# KiCad board OpenRX-all.kicad_pcb (continued)
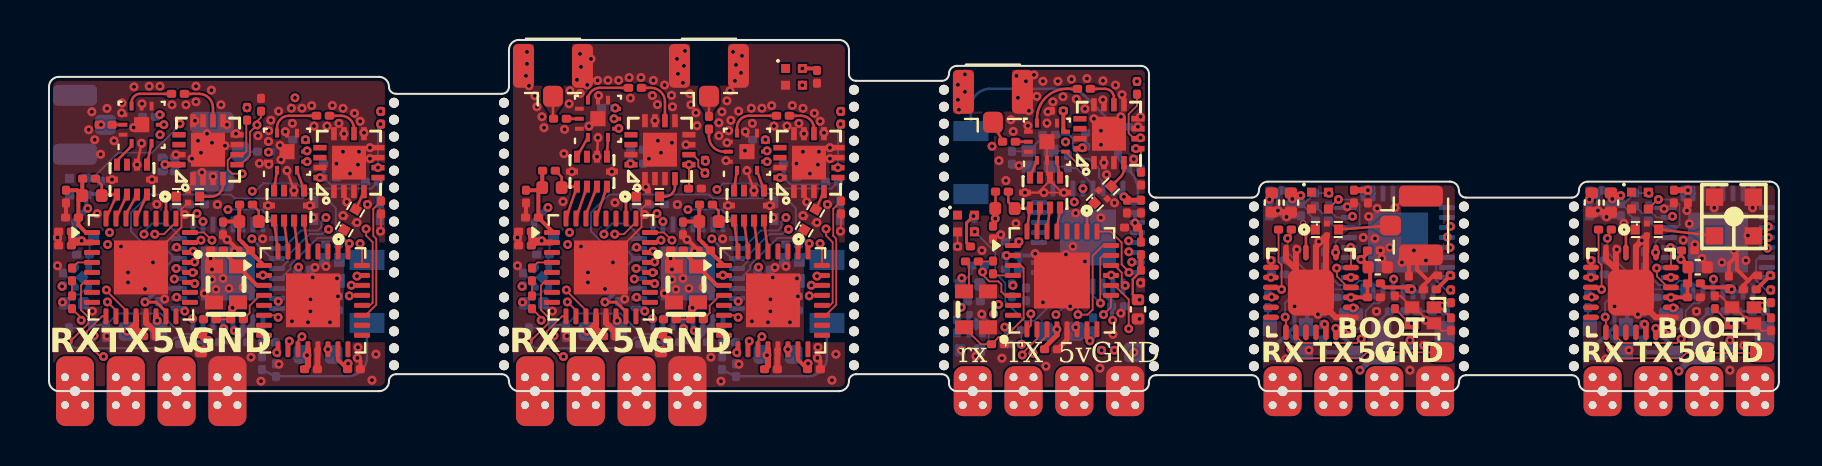
[diagram p0: board, top side]
## Routing (per net, layer and track width the routed paths; a pad name or vN(x,y) marks a point on that pad's centre or on a via; arc(x,y) is an arc through that point) (continued)
/Clock/TCXO_Out: length 23
  Top w0.09: OSC1.3 8.94,3.94 8.06,3.94 7.73,3.6 ; OSC2.3 31.94,3.94 31.06,3.94 30.73,3.6 ; C7.2 1.61,3.67 v1(1.61,3.55) ; C50.2 24.61,3.67 v1(24.61,3.55)
  In2.Cu w0.09: v1(32.18,4.17) 31.59,4.17 29.97,2.55 26.85,2.55 25.85,3.55 v1(24.61,3.55) ; v1(1.61,3.55) 2.85,3.55 3.85,2.55 6.97,2.55 8.59,4.17 v1(9.17,4.17)
/Clock/VTCXO: length 5.6
  Top w0.2: C56.2 31.72,6.98 OSC2.4 33.4,5.3 U15.3 ; U6.3 10.4,5.3 OSC1.4 8.72,6.98 C13.2
/ESP32-C3 + LR1121 Mono/BOOT: length 8.1
  In2.Cu w0.09: v1(54.25,1.95) 54.15,2.05 v1(53.27,2.05) 52.77,1.55 50.95,1.55 49.8,2.7 49.8,3.28 v1(50.35,3.83)
  Bottom w0.09: v1(50.35,3.83) 50.7,4.18 U25.15
/ESP32-C3 + LR1121 Mono/BUSY: length 3.6
  Top w0.09: U27.25 53.08,8 53.63,7.45 53.63,6.35 54,5.99 v1(54,5.95)
  Bottom w0.09: 54.45,5.95 54.14,5.95 54.11,5.92 54.03,5.92 54.01,5.95 v1(54,5.95)
/ESP32-C3 + LR1121 Mono/CHIP_EN: length 8.5
  In2.Cu w0.09: v1(54.15,6.47) 54.15,6.47 52.27,6.47 52.16,6.36 52.16,6.35 51.95,6.14 51.94,6.14 48.62,2.82 v1(48.62,2.35)
  Bottom w0.09: v1(48.62,2.35) R37.1 ; v1(54.15,6.47) 54.15,6.47 54.15,6.47 54.17,6.45 54.45,6.45
/ESP32-C3 + LR1121 Mono/CTRL1: length 17.2
  Top w0.09: U29.4 51.57,11.26 v1(51.79,11.26) ; v1(49.2,1.9) 49.2,2.09 49.9,2.79 U27.11
  In2.Cu w0.09: v1(49.2,1.9) 49.2,1.84 48.82,1.45 48.44,1.45 46.74,3.15 46.74,3.45 47.16,3.87 v1(47.23,3.87)
  In3.Cu w0.09: v1(51.79,11.26) 51.84,11.26 52.3,10.81 52.3,8.9 48.6,5.2 48.6,4.7 47.77,3.87 v1(47.23,3.87)
/ESP32-C3 + LR1121 Mono/CTRL2: length 14.2
  Top w0.09: v1(50.83,12.49) U29.5 ; v1(48.67,1.81) 48.67,1.89 49.4,2.62 U27.10
  In2.Cu w0.09: v1(47.49,4.35) 48.15,3.68 48.15,2.31 48.65,1.81 v1(48.67,1.81)
  In3.Cu w0.09: v1(47.49,4.35) 47.49,5.9 50.3,8.71 50.3,11.96 v1(50.83,12.49)
/ESP32-C3 + LR1121 Mono/DIO1: length 8.2
  Top w0.09: v1(49.09,3.88) 49.09,3.3 U27.9
  In3.Cu w0.09: v1(53.98,7.53) 52.08,7.53 49.09,4.55 v1(49.09,3.88)
  Bottom w0.09: v1(53.98,7.53) 53.99,7.53 54.02,7.53 54.09,7.45 54.45,7.45
/ESP32-C3 + LR1121 Mono/LED: length 10.7
  Bottom w0.09: U25.14 51.2,5.65 50.9,5.95 50.22,5.95 49.7,5.43 49.7,4.96 50.06,4.6 50.06,4.3 49.27,3.52 48.79,3.52 47.81,4.49 47.81,5.42 47.32,5.92 47.32,6.96 v1(46.29,7.99) R35.2
/ESP32-C3 + LR1121 Mono/MISO: length 0.6
  Bottom w0.09: 53.25,5.25 53.25,5.68 v1(53.12,5.81)
/ESP32-C3 + LR1121 Mono/MOSI: length 1.5
  Top w0.09: U27.22 53.28,6.3 53.64,5.94 53.64,5.45 53.79,5.3 v1(53.81,5.3)
  Bottom w0.09: 53.75,5.25 53.75,5.25 53.77,5.25 v1(53.81,5.3)
/ESP32-C3 + LR1121 Mono/NSS: length 6.2
  Top w0.09: U27.24 52.7,7.3 52.19,6.78 52.19,4.08 51.93,3.83 v1(51.45,3.83)
  Bottom w0.09: v1(51.45,3.83) 51.45,4.25 51.7,4.5 U25.13
/ESP32-C3 + LR1121 Mono/RST: length 10.9
  Top w0.09: v1(46.69,5.97) 46.69,5.83 47.01,5.5 47.47,5.5 47.62,5.35 47.62,4.98 47.8,4.8 U27.6
  In2.Cu w0.09: v1(46.69,5.97) 50.57,5.97 51.59,6.99 53.99,6.99 v1(54,6.99)
  Bottom w0.09: R34.2 46.69,6.22 v1(46.69,5.97) ; 54.45,6.95 54.1,6.95 54.06,6.99 54,6.99 v1(54,6.99)
/ESP32-C3 + LR1121 Mono/RXEN24: length 15.4
  Top w0.09: v1(53.99,3.13) 53.99,4.59 53.28,5.3 U27.20 ; v1(54.57,12.69) 54.55,12.69 arc(54.5,12.68) 54.46,12.66 U28.6 54.26,12.65 53.99,12.92 53.99,13.89 54.4,14.3 R40.2
  In2.Cu w0.09: v1(54.57,12.69) 54.71,12.56 54.71,6.07 54.18,5.53 54.18,3.32 v1(53.99,3.13)
/ESP32-C3 + LR1121 Mono/SCK: length 3.8
  Top w0.09: v1(52.57,4.41) 52.56,4.42 52.56,6.66 52.7,6.8 U27.23
  Bottom w0.09: U25.12 52.2,4.78 v1(52.57,4.41)
/ESP32-C3 + LR1121 Mono/TXEN24: length 12.3
  Top w0.09: v1(52.73,3.84) 53.1,4.21 U27.19 ; v1(54.35,12.15) 54.45,12.15 54.6,12 R39.2
  In3.Cu w0.09: v1(54.35,12.15) 54.26,12.15 53.8,11.7 53.8,10.61 54.11,10.3 54.11,8.75 53.95,8.58 53.95,8.2 54.51,7.64 54.51,5.91 54.18,5.58 54.18,5.15 53.24,4.21 53.1,4.21 v1(52.73,3.84)
/ESP32-C3 + LR1121 Mono/VR_PA: length 3.4
  Top w0.09: U27.1 48.31,7.3 v1(48.5,7.49)
  Top w0.127: v1(47.31,8.65) L27.1 47.33,9.17 R33.1
  In2.Cu w0.127: v1(48.5,7.49) 48.47,7.49 v1(47.31,8.65)
/ESP32-C3 + LR1121 Mono/WIFI: length 10.4
  Bottom w0.127: L26.1 53.45,12.96 arc(53.42,13.12) C166.1 51.77,14.81 arc(51.39,15.06) 50.95,15.15 47.05,15.15 arc(46.38,14.87) 46.1,14.2 AE6.1
/ESP32-C3 + LR1121 Mono/XTAL_N: length 2.7
  Bottom w0.09: X5.3 50.88,11.25 C139.1 51.37,11.18 52.25,10.3 52.25,10.15
/ESP32-C3 + LR1121 Mono/XTAL_P: length 4.3
  Bottom w0.09: U25.30 52.7,10.5 52.5,10.7 52.5,11.15 52,11.65 51.7,11.65 51.2,12.15 51.2,12.65 51,12.85 L24.2
/ESP32-C3 + SX1281 Core (UFL)/BOOT: length 39
  Top w0.09: TP13.1 69.65,1.94 65.89,1.94 65.6,1.65 62.55,1.65 v1(62.1,2.1) ; v1(78.1,2.1) 78.55,1.65 81.6,1.65 81.86,1.91 85.62,1.91 TP18.1
  In3.Cu w0.09: v1(81.18,8.76) 80.11,8.76 79.06,7.7 79.06,7.14 76.75,4.83 76.75,3.45 v1(78.1,2.1) ; v1(62.1,2.1) 60.75,3.45 60.75,4.83 63.06,7.14 63.06,7.7 64.04,8.69 65.12,8.69 65.18,8.74 v1(65.18,8.76)
  Bottom w0.09: U22.15 80.39,8.7 80.19,8.9 79.68,8.9 R31.2 ; U19.15 64.39,8.7 64.19,8.9 63.68,8.9 R27.2
/ESP32-C3 + SX1281 Core (UFL)/BUSY: length 11
  Top w0.09: v1(61.81,3.71) 61.85,3.68 61.85,3.15 ; v1(77.81,3.71) 77.85,3.68 77.85,3.15
  Bottom w0.09: U19.8 65.6,5.1 62.49,5.1 61.81,4.42 61.81,3.72 v1(61.81,3.71) ; U22.8 81.6,5.1 78.49,5.1 77.81,4.42 77.81,3.72 v1(77.81,3.71)
/ESP32-C3 + SX1281 Core (UFL)/CHIP_EN: length 8.4
  Bottom w0.09: C136.1 R32.1 80.13,5.89 80.13,5.68 80.5,5.31 81.29,5.31 81.52,5.53 82.06,5.53 82.2,5.4 U22.7 ; U19.7 66.2,5.4 66.06,5.53 65.52,5.53 65.29,5.31 64.5,5.31 64.13,5.68 64.13,5.89 R28.1 C111.1
/ESP32-C3 + SX1281 Core (UFL)/DIO1: length 16.4
  Top w0.09: 62.35,3.15 U21.8 62.35,2.75 62.69,2.42 65.41,2.42 v1(65.61,2.62) ; v1(81.61,2.62) 81.41,2.42 78.69,2.42 78.35,2.75 U24.8 78.35,3.15
  In3.Cu w0.09: v1(65.61,2.62) 65.78,2.79 65.78,4.18 67.22,5.61 v1(67.24,5.61) ; v1(83.23,5.61) 83.22,5.61 81.78,4.18 81.78,2.79 v1(81.61,2.62)
  Bottom w0.09: U19.5 67.2,5.6 67.21,5.61 v1(67.24,5.61) ; U22.5 83.2,5.6 83.21,5.61 v1(83.23,5.61)
/ESP32-C3 + SX1281 Core (UFL)/LED: length 9.3
  Top w0.09: D3.4 64.43,9.59 64.46,9.59 v1(64.48,9.61) ; v1(80.48,9.61) 80.46,9.59 80.43,9.59 D4.4
  Bottom w0.09: v1(64.48,9.61) 64.48,9.6 65.28,9.6 65.53,9.35 65.53,8.34 65.4,8.2 U19.14 64.32,8.2 R26.2 ; v1(80.48,9.61) 80.48,9.6 81.28,9.6 81.53,9.35 81.53,8.34 81.4,8.2 U22.14 80.32,8.2 R30.2
/ESP32-C3 + SX1281 Core (UFL)/MISO: length 4
  Top w0.09: U21.16 64.95,5.2 64.4,5.75 64.4,6.15 v1(64.39,6.17) ; v1(80.39,6.17) 80.4,6.15 80.4,5.75 80.95,5.2 U24.16
  Bottom w0.09: v1(80.39,6.17) 80.97,6.17 U22.10 ; v1(64.39,6.17) 64.97,6.17 U19.10
/ESP32-C3 + SX1281 Core (UFL)/MOSI: length 0.2
  Bottom w0.09: U19.9 v1(65.1,5.7) ; U22.9 v1(81.1,5.7)
/ESP32-C3 + SX1281 Core (UFL)/NSS: length 3.1
  Top w0.09: v1(80.33,6.95) 80.33,7.13 80.35,7.15 ; v1(64.33,6.95) 64.33,7.13 64.35,7.15
  Bottom w0.09: v1(80.33,6.95) 80.33,7.47 80.56,7.7 U22.13 81.05,7.7 ; 65.05,7.7 U19.13 64.56,7.7 64.33,7.47 v1(64.33,6.95)
/ESP32-C3 + SX1281 Core (UFL)/RST: length 21.8
  Top w0.09: U24.3 77.62,5.2 77.63,5.19 v1(77.63,5.1) 77.63,6.31 77.48,6.47 R29.2 ; R25.2 61.48,6.47 61.63,6.31 v1(61.63,5.1) 61.63,5.19 61.62,5.2 U21.3
  In3.Cu w0.09: v1(61.63,5.1) 63,5.1 v1(65,3.1) ; v1(77.63,5.1) 79,5.1 v1(81,3.1)
  Bottom w0.09: U22.6 82.7,4.6 82.5,4.4 82.21,4.4 81.84,4.02 81.84,3.48 81.46,3.11 81.01,3.11 v1(81,3.1) ; v1(65,3.1) 65.01,3.11 65.46,3.11 65.84,3.48 65.84,4.02 66.21,4.4 66.5,4.4 66.7,4.6 U19.6
/ESP32-C3 + SX1281 Core (UFL)/SCK: length 2
  Top w0.09: U24.18 81.1,7.1 81.09,7.11 81.09,7.19 v1(81.08,7.2) ; U21.18 65.1,7.1 65.09,7.11 v1(65.09,7.21)
/ESP32-C3 + SX1281 Core (UFL)/WIFI: length 4.7
  Bottom w0.127: L16.1 C104.1 66.56,3.54 66.56,2.71 AE3.1 ; L20.1 C129.1 82.56,3.54 82.56,2.71 AE4.1
/ESP32-C3 + SX1281 Core (UFL)/XTAL_N: length 11.6
  Top w0.09: C88.1 68.03,3.4 v1(68.15,3.4) ; C113.1 84.03,3.4 v1(84.15,3.4)
  In3.Cu w0.09: v1(84.15,3.4) 84.6,3.85 84.6,5.75 85.89,7.04 85.89,7.13 v1(85.92,7.16) ; v1(68.15,3.4) 68.6,3.85 68.6,5.7 70.05,7.15 v1(70.05,7.2)
  Bottom w0.09: v1(70.05,7.2) 70.05,7.2 U19.29 ; U22.29 85.89,7.19 85.89,7.19 v1(85.92,7.16)
/ESP32-C3 + SX1281 Core (UFL)/XTAL_P: length 5.1
  Top w0.09: v1(70.07,5.07) L15.2 ; v1(86.07,5.07) L19.2
  Bottom w0.09: U19.30 69.5,6.7 69.37,6.56 69.37,5.55 69.85,5.07 v1(70.07,5.07) ; U22.30 85.5,6.7 85.37,6.56 85.37,5.55 85.85,5.07 v1(86.07,5.07)
/ESP32-C3/BOOT: length 29.6
  In2.Cu w0.09: v1(33.4,10.1) 33.15,9.85 30.25,9.85 29.38,8.98 v1(29.38,7.21) ; v1(10.16,10.02) 10.16,9.86 10.15,9.85 7.25,9.85 6.38,8.98 v1(6.38,7.21)
  Bottom w0.09: v1(29.38,7.21) 29.38,7.21 29.44,7.15 U10.15 ; U9.1 U9.1 16.54,9.59 16.47,9.66 R4.2 16.12,10.15 12.66,10.15 12.4,10.41 10.71,10.41 10.32,10.02 v1(10.16,10.02) ; U1.15 6.44,7.15 6.38,7.21 v1(6.38,7.21) ; v1(33.4,10.1) 33.71,10.41 35.4,10.41 35.66,10.15 39.12,10.15 R16.2 39.47,9.66 39.54,9.59 U18.1 U18.1
/ESP32-C3/BUSY_A: length 20.6
  Top w0.09: U12.25 29.35,8.47 28.75,7.87 v1(28.29,7.87) ; U3.25 6.35,8.47 5.75,7.87 v1(5.29,7.87)
  In3.Cu w0.09: v1(7.17,3.63) 6.5,2.95 5.1,2.95 3.55,4.5 3.55,6.1 5.29,7.84 v1(5.29,7.87) ; v1(30.17,3.63) 29.5,2.95 28.1,2.95 26.55,4.5 26.55,6.1 28.29,7.84 v1(28.29,7.87)
  Bottom w0.09: U1.8 7.17,3.48 v1(7.17,3.63) ; v1(30.17,3.63) 30.17,3.48 U10.8
/ESP32-C3/BUSY_B: length 37.8
  Top w0.09: v1(38.01,7.39) 37.95,7.33 U15.25 ; v1(15.02,7.39) 14.95,7.33 U6.25
  Bottom w0.09: 6.26,6.68 6.3,6.65 U1.14 6.27,6.65 R3.2 ; v1(15.02,7.39) 14.34,8.07 14.34,9.17 13.61,9.91 12.92,9.91 12.67,9.66 9.29,9.66 9.1,9.85 5,9.85 4.1,8.95 4.1,8.01 4.91,7.2 5.75,7.2 6.3,6.65 ; R15.2 29.27,6.65 U10.14 29.3,6.65 29.26,6.68 ; v1(38.01,7.39) 37.34,8.07 37.34,9.17 36.6,9.91 35.91,9.91 35.67,9.66 33.19,9.66 33,9.85 28,9.85 27.1,8.95 27.1,8.01 27.91,7.2 28.75,7.2 29.3,6.65
/ESP32-C3/CHIP_EN: length 13.1
  Bottom w0.09: R5.1 C28.1 2.87,3.32 3.44,3.89 5.58,3.89 6.6,2.86 7.3,2.86 7.7,3.27 U1.7 ; U10.7 30.7,3.27 30.3,2.86 29.6,2.86 28.58,3.89 26.44,3.89 25.87,3.32 C71.1 R17.1
/ESP32-C3/DIO1_A: length 20.4
  Top w0.09: U12.9 25.65,3.75 24.89,2.99 24.89,2.41 25.56,1.74 v1(25.72,1.74) ; U3.9 2.65,3.75 1.89,2.99 1.89,2.41 2.56,1.74 v1(2.72,1.74)
  In2.Cu w0.09: v1(8.74,3.14) 8.74,2.79 8,2.05 2.85,2.05 2.7,1.9 2.7,1.89 2.72,1.86 v1(2.72,1.74) ; v1(31.74,3.14) 31.74,2.79 31,2.05 25.85,2.05 25.7,1.9 25.7,1.89 25.72,1.86 v1(25.72,1.74)
  Bottom w0.09: v1(8.74,3.14) 8.7,3.18 U1.5 ; U10.5 31.7,3.18 v1(31.74,3.14)
/ESP32-C3/DIO1_B: length 39.3
  In2.Cu w0.09: v1(34.39,1.94) 34.39,2.47 32.32,4.53 31.7,4.53 30.21,3.05 28.38,3.05 28.05,3.38 28.05,3.71 28.25,3.91 28.25,5.8 29.18,6.73 29.48,6.73 29.74,6.99 29.74,7.21 30.45,7.93 30.71,7.93 31.88,9.1 v1(31.95,9.1) ; v1(8.95,9.1) 8.88,9.1 7.71,7.93 7.45,7.93 6.74,7.21 6.74,6.99 6.48,6.73 6.18,6.73 5.25,5.8 5.25,3.91 5.05,3.71 5.05,3.38 5.38,3.05 7.21,3.05 8.7,4.53 9.32,4.53 11.39,2.47 v1(11.39,1.94)
  Bottom w0.09: U1.25 11.4,8.34 10.64,9.1 v1(8.95,9.1) ; U10.25 34.4,8.34 33.64,9.1 v1(31.95,9.1)
/ESP32-C3/LED: length 35
  In2.Cu w0.09: v1(36.85,8.7) 36.85,9.55 35.35,11.05 35.35,13.01 v1(37.67,15.33) ; v1(12.3,14.7) 13.25,14.7 13.5,14.46 13.5,14.15 12.35,13 12.35,11.05 13.85,9.55 v1(13.85,8.7)
  In3.Cu w0.09: v1(12.3,14.7) 9.55,14.7 8.76,13.91 7.06,13.91 v1(6.55,13.4)
  Bottom w0.09: U1.26 11.7,7.15 12.6,8.05 13.45,8.05 13.62,8.22 13.62,8.47 v1(13.85,8.7) ; v1(6.55,13.4) 6.55,13.34 5.16,11.95 3.47,11.95 2.19,10.67 D1.4 ; v1(36.85,8.7) 36.62,8.47 36.62,8.22 36.45,8.05 35.6,8.05 34.7,7.15 U10.26
/ESP32-C3/MISO: length 26.9
  Top w0.09: U12.21 30.26,6.45 v1(30.28,6.47) ; U15.21 38.04,4.8 v1(38.02,4.78) ; U6.21 15.04,4.8 v1(15.02,4.78) ; U3.21 7.26,6.45 v1(7.28,6.47)
  In2.Cu w0.09: v1(38.02,4.78) 37.63,4.39 37.48,4.39 36.18,3.09 34.41,3.09 32.75,4.75 31.61,4.75 31.36,4.5 30.54,4.5 30.33,4.71 v1(29.38,4.71) 29.83,5.15 29.83,6.09 30.21,6.47 v1(30.28,6.47) ; v1(7.28,6.47) 7.21,6.47 6.83,6.09 6.83,5.15 v1(6.38,4.71) 7.33,4.71 7.54,4.5 8.36,4.5 8.61,4.75 9.75,4.75 11.41,3.09 13.18,3.09 14.48,4.39 14.63,4.39 v1(15.02,4.78)
  Bottom w0.09: v1(6.38,4.71) 6.44,4.65 U1.10 ; U10.10 29.44,4.65 v1(29.38,4.71)
/ESP32-C3/MOSI: length 30
  Top w0.09: v1(15.12,5.31) 15.12,5.3 U6.22 ; v1(38.12,5.31) 38.12,5.3 U15.22 ; v1(7.21,7.01) 7.15,6.95 U3.22 ; v1(30.21,7.01) 30.15,6.95 U12.22
  In2.Cu w0.09: v1(15.12,5.31) 15,5.19 12.61,5.19 11.16,6.64 8.77,6.64 8.4,7.01 7.21,7.01 v1(7.21,7.01) 6.75,6.55 6.25,6.55 5.42,5.72 5.42,4.28 5.69,4.01 v1(6.79,4.01) ; v1(38.12,5.31) 38,5.19 35.61,5.19 34.16,6.64 31.77,6.64 31.4,7.01 30.21,7.01 v1(30.21,7.01) 29.75,6.55 29.25,6.55 28.43,5.72 28.43,4.28 28.69,4.01 v1(29.79,4.01)
  Bottom w0.09: U1.9 6.65,4.15 v1(6.79,4.01) ; U10.9 29.65,4.15 v1(29.79,4.01)
/ESP32-C3/NSS_A: length 23.6
  Top w0.09: U12.24 30.75,7.95 31.13,7.57 v1(31.15,7.57) ; U3.24 7.75,7.95 8.13,7.57 v1(8.15,7.57)
  In3.Cu w0.09: v1(31.15,7.57) 33.28,5.43 33.28,4.72 33.86,4.14 35.06,4.14 35.51,3.69 35.51,3.35 35.19,3.03 v1(32.27,3.03) ; v1(8.15,7.57) 10.28,5.43 10.28,4.72 10.86,4.14 12.06,4.14 12.51,3.69 12.51,3.35 12.19,3.03 v1(9.27,3.03)
  Bottom w0.09: U1.4 9.2,3.1 v1(9.27,3.03) ; U10.4 32.2,3.1 v1(32.27,3.03)
/ESP32-C3/NSS_B: length 25.4
  Top w0.09: v1(38.56,7.4) 38.65,7.3 U15.24 ; v1(15.56,7.4) 15.65,7.3 U6.24
  In3.Cu w0.09: v1(15.56,7.4) 15.2,7.75 14.75,7.75 14.75,7.75 12.85,7.75 12.61,8 6.65,8 6.02,7.36 6.02,6.49 v1(6.36,6.15) ; v1(29.36,6.15) 29.02,6.49 29.02,7.36 29.65,8 35.6,8 35.85,7.75 37.75,7.75 37.75,7.75 38.2,7.75 v1(38.56,7.4)
  Bottom w0.09: U1.13 v1(6.36,6.15) ; U10.13 v1(29.36,6.15)
/ESP32-C3/RST_A: length 24.3
  Top w0.09: v1(23.95,2.5) 23.98,2.53 24.1,2.53 24.97,3.4 24.97,3.7 24.6,4.07 24.6,5.3 24.75,5.45 U12.6 ; v1(0.95,2.5) 0.98,2.53 1.1,2.53 1.97,3.4 1.97,3.7 1.6,4.07 1.6,5.3 1.75,5.45 U3.6
  Bottom w0.09: v1(23.95,2.5) 24.3,2.15 28.76,2.15 29.3,2.69 30.54,2.69 30.75,2.9 30.9,2.9 31.2,3.2 U10.6 ; v1(0.95,2.5) 1.3,2.15 5.76,2.15 6.3,2.69 7.54,2.69 7.75,2.9 7.9,2.9 8.2,3.2 U1.6
/ESP32-C3/RST_B: length 32.9
  Top w0.09: U6.6 11.36,3.8 v1(11.46,3.7) ; v1(34.46,3.7) 34.36,3.8 U15.6
  In3.Cu w0.09: v1(4.75,7.87) 4.75,7.85 3.3,6.4 3.3,4.5 3.37,4.43 3.37,4.43 5.05,2.75 7.2,2.75 8.15,3.7 v1(11.46,3.7) ; v1(34.46,3.7) 31.15,3.7 30.2,2.75 28.05,2.75 26.37,4.43 26.37,4.43 26.3,4.5 26.3,6.4 27.75,7.85 v1(27.75,7.87)
  Bottom w0.09: v1(27.75,7.87) 27.75,8 28.15,8.4 28.9,8.4 29.5,7.8 U10.16 ; v1(4.75,7.87) 4.75,8 5.15,8.4 5.9,8.4 6.5,7.8 U1.16
/ESP32-C3/SCK: length 25.8
  Top w0.09: v1(30.6,7.57) 30.48,7.45 U12.23 ; U6.23 15.44,5.8 v1(15.4,5.76) ; U3.23 7.48,7.45 v1(7.6,7.57) ; U15.23 38.44,5.8 v1(38.4,5.76)
  In2.Cu w0.09: v1(38.4,5.76) 37.99,5.76 36.9,6.85 33.2,6.85 31.9,8.15 31.18,8.15 v1(30.6,7.57) ; v1(15.4,5.76) 14.99,5.76 13.9,6.85 10.2,6.85 8.9,8.15 8.18,8.15 v1(7.6,7.57)
  In3.Cu w0.09: v1(6.27,5.62) 6.37,5.62 6.72,5.97 6.72,7.03 7.25,7.57 v1(7.6,7.57) ; v1(30.6,7.57) 30.25,7.57 29.72,7.03 29.72,5.97 29.37,5.62 v1(29.26,5.62)
  Bottom w0.09: U10.12 29.3,5.65 v1(29.26,5.62) ; v1(6.27,5.62) 6.3,5.65 U1.12
/ESP32-C3/WIFI: length 15.2
  Bottom w0.127: L11.1 C73.1 arc(34.36,0.74) 34.37,0.75 37.95,0.75 arc(38.62,1.03) 38.9,1.7 AE2.1 ; L4.1 C30.1 arc(11.36,0.74) 11.37,0.75 14.95,0.75 arc(15.62,1.03) 15.9,1.7 AE1.1
/ESP32-C3/XTAL_N: length 10.7
  Bottom w0.09: U10.29 34.42,5.65 34.45,5.62 34.55,5.62 35.06,6.13 35.06,6.31 36.44,7.69 37.13,7.69 C46.1 37.47,6.63 X2.3 37.53,6.92 ; 14.53,6.92 X1.3 14.47,6.63 C3.1 14.14,7.69 13.44,7.69 12.06,6.31 12.06,6.13 11.55,5.62 11.45,5.62 11.42,5.65 U1.29
/ESP32-C3/XTAL_P: length 6.3
  Bottom w0.09: L2.2 13.44,4.44 13.44,4.9 13.27,5.06 11.56,5.06 11.53,5.09 11.49,5.09 11.43,5.15 U1.30 ; L9.2 36.44,4.44 36.44,4.9 36.27,5.06 34.56,5.06 34.53,5.09 34.49,5.09 34.43,5.15 U10.30
/LR1121_A/CTRL1: length 25.8
  Top w0.09: U5.4 v1(5.55,12.85) ; U12.11 26.85,4.05 25.87,5.03 v1(25.87,5.07) ; v1(2.87,5.07) 2.87,5.03 3.85,4.05 U3.11 ; U14.4 28.47,13.15 v1(28.49,13.17)
  In2.Cu w0.09: v1(2.87,5.07) 1.28,6.67 1.28,10.04 4.09,12.85 v1(5.55,12.85) ; v1(28.49,13.17) 27.41,13.17 26.75,12.51 26.75,12.25 24.28,9.78 24.28,6.67 v1(25.87,5.07)
/LR1121_A/CTRL2: length 28.1
  Top w0.09: U3.10 3.35,4.04 v1(2.92,4.47) ; U12.10 26.35,4.04 v1(25.92,4.47) ; U5.5 5.74,13.35 v1(5.74,13.35) ; U14.5 v1(28.25,13.65)
  In2.Cu w0.09: v1(5.74,13.35) 5.1,13.35 4.85,13.6 3.8,13.6 1,10.8 1,6.15 2.68,4.47 v1(2.92,4.47) ; v1(25.92,4.47) 25.68,4.47 24,6.15 24,10.8 26.85,13.65 v1(28.25,13.65)
/LR1121_A/RXEN24: length 26
  Top w0.09: 31.72,11.89 31.76,11.85 U13.6 32.19,11.85 32.47,11.58 32.47,11.27 v1(32.8,10.93) ; v1(30.19,5.94) 30.18,5.95 U12.20 ; R8.2 9.86,13.55 9.86,12.02 9.7,11.85 U4.6 9.21,11.85 8.94,11.58 8.94,11.11 9.16,10.89 v1(9.66,10.89) ; v1(7.19,5.94) 7.18,5.95 U3.20
  In3.Cu w0.09: v1(7.19,5.94) 6.5,5.26 5.99,5.26 5.7,5.55 5.7,7.4 6.15,7.85 6.15,9 7.4,10.25 9.45,10.25 9.66,10.46 v1(9.66,10.89) ; v1(32.8,10.93) 31.08,10.93 29.15,9 29.15,7.85 28.7,7.4 28.7,5.55 28.99,5.26 29.5,5.26 v1(30.19,5.94)
/LR1121_A/TXEN24: length 35.2
  Top w0.09: v1(30.28,5.39) 30.22,5.45 U12.19 ; U4.5 9.59,11.35 10.05,11.81 10.05,12.99 v1(10.4,13.34) 10.4,13.52 10.6,13.71 R7.2 ; 31.72,11.35 31.72,11.35 v1(32,11.35) 32,10.17 R19.2 ; v1(7.28,5.39) 7.22,5.45 U3.19
  In3.Cu w0.09: v1(32,11.35) 30.4,11.35 28.75,9.7 28.75,7.7 27.35,6.3 27.35,4.4 27.75,4 29.18,4 30.28,5.1 v1(30.28,5.39) ; v1(10.4,13.34) 9,11.94 9,11.35 7.4,11.35 5.75,9.7 5.75,7.7 4.35,6.3 4.35,4.4 4.75,4 6.18,4 7.28,5.1 v1(7.28,5.39)
/LR1121_A/VR_PA: length 8.5
  Top w0.2: R13.1 24.67,11.03 L12.1 ; L12.1 24.53,10.07 C45.1 ; L12.1 24.47,10 C62.1 25.15,8.02 U12.1 ; C2.1 1.39,10.07 L5.1 ; L5.1 1.47,9.61 C19.1 1.47,8.33 1.85,7.95 U3.1 ; L5.1 1.67,10.64 R1.1
/LR1121_B/CTRL1: length 25.7
  Top w0.09: v1(35.91,11.5) 35.91,11.5 U17.4 ; U15.11 35.45,2.53 v1(35.65,2.73) ; v1(12.65,2.73) 12.45,2.53 U6.11 ; v1(12.91,11.5) 12.91,11.5 U8.4
  In2.Cu w0.09: v1(35.65,2.73) 36.84,2.73 38.76,4.65 38.76,5.91 38.17,6.5 38,6.5 37.4,7.1 37.4,8.59 37.25,8.74 37.25,9.4 35.91,10.74 v1(35.91,11.5) ; v1(12.65,2.73) 13.84,2.73 15.76,4.65 15.76,5.91 15.17,6.5 15,6.5 14.4,7.1 14.4,8.59 14.25,8.74 14.25,9.4 12.91,10.74 v1(12.91,11.5)
/LR1121_B/CTRL2: length 29.8
  Top w0.09: v1(12.02,2.51) 11.95,2.44 U6.10 ; v1(35.02,2.51) 34.95,2.44 U15.10 ; v1(35.91,12.04) 35.86,12 U17.5 ; U8.5 12.86,12 v1(12.91,12.04)
  In2.Cu w0.09: v1(35.02,2.51) 35.17,2.35 36.3,2.35 36.45,2.5 37,2.5 39,4.5 39,6.05 38.37,6.68 38.22,6.68 37.65,7.25 37.65,8.21 38.25,8.81 38.25,9.76 35.97,12.04 v1(35.91,12.04) ; v1(12.91,12.04) 12.97,12.04 15.25,9.76 15.25,8.81 14.65,8.21 14.65,7.25 15.22,6.68 15.37,6.68 16,6.05 16,4.5 14,2.5 13.45,2.5 13.3,2.35 12.17,2.35 v1(12.02,2.51)
/LR1121_B/RXEN24: length 20
  Top w0.09: v1(15.86,8.13) 15.86,7.79 16.19,7.46 16.19,4.44 16.05,4.3 U6.20 ; U15.20 39.05,4.3 39.19,4.44 39.19,7.46 38.85,7.79 v1(38.85,8.13)
  In2.Cu w0.09: v1(38.85,8.13) 38.92,8.13 39.45,8.66 v1(39.45,11.2) ; v1(16.45,11.2) 16.45,8.66 15.92,8.13 v1(15.86,8.13)
  Bottom w0.09: v1(39.57,13.38) 39.45,13.25 v1(39.45,11.2) ; v1(16.45,11.2) 16.45,13.25 v1(16.58,13.38)
/LR1121_B/TXEN24: length 15.2
  Top w0.09: U7.5 16.6,10.55 R11.2 16.22,9.14 16.22,7.78 16.36,7.64 16.36,4.33 15.83,3.8 U6.19 ; U15.19 38.83,3.8 39.37,4.33 39.37,7.64 39.22,7.78 39.22,9.14 R23.2 39.6,10.55 U16.5
/LR1121_B/VR_PA: length 9.1
  Top w0.09: 33.65,6.35 33.7,6.3 U15.1 ; 10.65,6.35 10.7,6.3 U6.1
  Top w0.2: U15.1 33.07,6.98 C75.1 32.85,7.27 32.85,7.27 32.68,7.44 32.68,7.44 32.5,7.62 32.5,8.48 L14.1 ; R22.1 32.51,9.33 L14.1 ; L7.1 8.73,8.5 C39.1 ; L7.1 9.5,8.48 9.5,7.62 9.68,7.44 9.68,7.44 9.85,7.27 9.85,7.27 C33.1 10.07,6.98 U6.1 ; L7.1 9.52,9.33 R10.1 ; L14.1 31.73,8.5 C81.1
Net-(C1-Pad1): length 9.4
  Top w0.09: C87.1 69.57,4.2 X3.1 69.48,4.43 L15.1 ; L19.1 85.48,4.43 X4.1 85.57,4.2 C112.1
  Bottom w0.09: C137.1 48.97,12.02 X5.1 49.68,12.73 L24.1 ; X1.1 13.78,4.81 C1.1 13.83,4.69 L2.1 ; L9.1 36.83,4.69 C32.1 36.78,4.81 X2.1
Net-(C7-Pad1): length 2.3
  Top w0.09: C50.1 R18.1 ; R38.1 47.18,6.5 C143.1 ; C7.1 R6.1
Net-(C25-Pad1): length 11.7
  Top w0.2: v1(68.14,5.1) 68.1,5.1 68.07,5.13 C108.1 67.93,5.2 66.77,5.2 L17.1 ; v1(84.14,5.1) 84.1,5.1 84.07,5.13 C133.1 83.93,5.2 82.77,5.2 L21.1 ; v1(54.31,8.43) 54.42,8.32 C161.1 54.6,8.02 L25.1
  Bottom w0.2: U1.3 9.7,2.87 ; 9.7,2.87 9.7,2.9 10.2,3.4 U1.2 ; 9.7,2.87 9.28,2.45 C25.1 L3.1 ; U22.2 84.24,5 v1(84.14,5.1) ; L10.1 C68.1 32.28,2.45 32.7,2.87 ; U19.2 68.24,5 v1(68.14,5.1) ; 54.45,8.95 54.31,8.81 v1(54.31,8.43) ; U10.3 32.7,2.87 ; 32.7,2.87 32.7,2.9 33.2,3.4 U10.2
Net-(C34-Pad1): length 1.4
  Top w0.09: 31.37,3.6 R21.1 ; 8.37,3.6 R9.1
Net-(FL1-IN): length 7
  Top w0.127: FL6.1 79.19,8.1 arc(78.95,8) 78.85,7.76 78.85,7.15 ; FL5.1 63.19,8.1 arc(62.95,8) 62.85,7.76 62.85,7.15 ; FL7.1 52.17,9.32 arc(51.97,9.02) 51.9,8.67 U27.26 ; FL3.1 29.22,9.75 arc(28.96,9.64) 28.85,9.38 U12.26 ; FL1.1 6.22,9.75 arc(5.96,9.64) 5.85,9.38 U3.26
Net-(FL1-OUT): length 10.4
  Top w0.127: U13.4 31.3,10.26 arc(31.15,9.9) 30.79,9.75 FL3.3 ; U4.4 8.7,10.34 arc(8.53,9.92) 8.11,9.75 FL1.3 ; FL6.3 AE5.3 ; FL5.3 J5.1 ; U28.4 53.75,11.14 arc(53.71,10.92) 53.58,10.73 FL7.3 ; 66.97,8.1 arc(67.12,8.16) 67.18,8.3
Net-(FL2-IN): length 2.3
  Top w0.127: FL4.1 U15.26 ; FL2.1 U6.26
Net-(FL2-OUT): length 2
  Top w0.127: U16.4 FL4.3 ; U7.4 FL2.3
Net-(J1-In): length 2.2
  Top w0.127: C67.2 25.2,13.68 25.2,14.78 ; C160.2 J6.1
  vias: v1(2.6,13.35)
Net-(J2-In): length 1.9
  Top w0.127: C86.2 33,14.8
  Bottom w0.127: C44.2 J2.1
Net-(OSC1-Out_Put): length 2
  Bottom w0.09: OSC3.3 60.95,3.3 C102.1 ; C127.1 76.95,3.3 OSC4.3
Net-(OSC1-OutPut): length 1.8
  Top w0.09: OSC5.3 45.81,5 46,5.19 46,6.33 C143.2 45.83,6.55
Net-(OSC1-VDD): length 7
  Top w0.09: OSC5.4 46.6,2.35 C149.2 47.5,2.72 47.81,2.72 48.74,3.64 48.74,6.16 48.6,6.3 U27.3
Net-(T1-RFI_N_LFO): length 4.2
  Top w0.127: U27.29 T5.4 ; T3.4 U12.29 ; T1.4 U3.29
Net-(T1-RFI_P_LFO): length 4.3
  Top w0.127: T3.3 26.85,8.86 U12.30 ; U27.30 T5.3 ; T1.3 3.85,8.86 U3.30
Net-(T1-RFO_HP_LF): length 9.5
  Top w0.127: R1.2 2.64,10.33 L5.2 2.69,9.85 T1.1 U3.32 ; U27.32 T5.1 49,9.15 48.28,9.15 47.97,9.47 R33.2 ; R13.2 25.64,10.73 L12.2 25.69,10.25 T3.1 U12.32
Net-(T1-RFO_LP_LF): length 4.2
  Top w0.127: T3.2 U12.31 ; T1.2 U3.31 ; U27.31 T5.2
Net-(T1-RX): length 2.9
  Top w0.127: U29.3 T5.6 ; U14.3 T3.6 ; U5.3 T1.6
Net-(T1-TX_HP): length 3.4
  Top w0.127: U14.1 T3.9 ; T5.9 U29.1 ; T1.9 arc(3.44,11.53) 3.54,11.69 4.03,12.18 arc(4.1,12.29) U5.1
Net-(T2-RFI_N_LFO): length 3.1
  Top w0.127: T4.4 U15.29 ; T2.4 U6.29
Net-(T2-RFI_P_LFO): length 3.1
  Top w0.127: T4.3 U15.30 ; T2.3 U6.30
Net-(T2-RFO_HP_LF): length 6.7
  Top w0.127: R22.2 33.49,9.03 L14.2 33.53,8.55 T4.1 U15.32 ; U6.32 T2.1 10.53,8.55 L7.2 10.48,9.03 R10.2
Net-(T2-RFO_LP_LF): length 3.1
  Top w0.127: T4.2 U15.31 ; T2.2 U6.31
Net-(T2-RX): length 2.2
  Top w0.127: U17.3 T4.6 ; U8.3 T2.6
Net-(T2-TX_HP): length 2.1
  Top w0.127: T4.9 U17.1 ; T2.9 U8.1
Net-(U1-LNA_IN): length 9.8
  Bottom w0.127: L20.2 C130.1 85.2,4.02 U22.1 ; L4.2 10.65,2.42 C29.1 10.7,2.47 U1.1 ; L11.2 33.65,2.42 C72.1 33.7,2.47 U10.1 ; L16.2 C105.1 69.2,4.02 U19.1 ; 54.45,9.45 54.45,10 arc(54.33,10.58) 54.01,11.07 C165.1 53.63,11.45 arc(53.5,11.65) L26.2
Net-(U1-U0RXD): length 83.6
  In2.Cu w0.09: v1(26.03,7.95) 26.04,7.95 26.2,7.95 28.85,10.6 32.62,10.6 32.65,10.57 32.95,10.57 32.98,10.6 33.41,10.6 33.76,10.25 33.76,9.95 33.14,9.34 v1(33.14,7.64) ; v1(3.03,7.95) 3.04,7.95 3.2,7.95 5.85,10.6 7.75,10.6 7.95,10.4 10.3,10.4 10.55,10.15 10.55,9.74 10.14,9.34 v1(10.14,7.64) ; v1(51.27,9.48) 51.27,9.36 49.04,7.13 48.22,7.13 47.9,7.45 46.35,7.45 45.25,6.35 45.25,1.14 TP19.1
  In3.Cu w0.09: TP1.1 0.25,1.25 0.25,5.59 2.6,7.95 3.02,7.95 v1(3.03,7.95) ; 77.7,1.2 77.79,1.2 77.8,1.19 78.1,1.19 78.11,1.2 78.3,1.2 78.65,1.55 79.93,1.55 81.13,2.74 81.15,2.74 81.36,2.95 81.36,2.97 81.6,3.21 81.6,5.05 84.75,8.2 85.93,8.2 v1(85.97,8.24) ; 61.7,1.2 61.79,1.2 61.8,1.19 62.1,1.19 62.11,1.2 62.3,1.2 62.65,1.55 63.93,1.55 65.13,2.74 65.15,2.74 65.36,2.95 65.36,2.97 65.6,3.21 65.6,5.05 68.75,8.2 70.01,8.2 v1(70.07,8.26) ; v1(26.03,7.95) 26.02,7.95 25.6,7.95 23.25,5.59 23.25,1.25 TP5.1
  Bottom w0.09: U10.27 34.13,6.65 v1(33.14,7.64) ; v1(10.14,7.64) 11.13,6.65 U1.27 ; v1(85.97,8.24) 85.93,8.2 U22.27 ; U19.27 70.01,8.2 v1(70.07,8.26) ; U25.27 51.27,10.08 v1(51.27,9.48)
Net-(U1-U0TXD): length 102.5
  In2.Cu w0.09: TP6.1 26.25,0.7 24.25,2.7 24.25,5.16 23.8,5.61 23.8,11.65 26.15,14 27.55,14 28.15,14.6 28.65,14.6 29.25,14 30.85,14 34.25,10.6 34.25,10.13 36.11,8.27 36.82,8.27 v1(36.98,8.11) ; TP2.1 3.25,0.7 1.25,2.7 1.25,5.16 0.8,5.61 0.8,13.25 2.35,14.8 5.1,14.8 5.91,13.99 8.85,13.99 9.95,12.89 9.95,11.43 13.11,8.27 13.82,8.27 v1(13.98,8.11) ; TP20.1 48,0.7 46,2.7 46,5.85 46.5,6.35 49.3,6.35 51.7,8.75 v1(51.7,10.15)
  In3.Cu w0.09: 64.22,0.25 66.77,2.79 66.77,4.37 67.85,5.45 67.85,6.1 69.45,7.7 69.9,7.7 v1(69.93,7.72) ; 80.22,0.25 82.77,2.79 82.77,4.37 83.85,5.45 83.85,6.1 85.45,7.7 v1(85.97,7.7)
  Bottom w0.09: U1.28 11.58,6.15 11.94,6.5 11.94,6.78 13.02,7.86 13.66,7.86 13.9,8.11 v1(13.98,8.11) ; v1(85.97,7.7) U22.28 ; v1(51.7,10.15) 51.75,10.15 ; v1(69.93,7.72) 69.9,7.7 U19.28 ; U10.28 34.58,6.15 34.94,6.5 34.94,6.78 36.01,7.86 36.66,7.86 36.9,8.11 v1(36.98,8.11)
Net-(U3-DCC_FB): length 15.4
  In2.Cu w0.2: v1(80.35,3.15) 80.35,3.65 78.3,5.7 v1(77.1,5.7) ; v1(64.35,3.15) 64.35,3.65 62.3,5.7 v1(61.1,5.7)
  Bottom w0.2: v1(80.35,3.15) 80.35,3.07 81.1,2.32 81.1,1.95 79.72,1.95 C128.2 ; v1(64.35,3.15) 64.35,3.07 65.1,2.32 65.1,1.95 63.72,1.95 C103.2 ; v1(61.1,5.7) 61.1,5.82 C109.2 ; C134.2 77.1,5.82 v1(77.1,5.7)
Net-(U3-DCC_SW): length 2.6
  Top w0.09: v1(51.34,3.2) 51.4,3.14 U27.14
  Top w0.3: v1(5.41,3.53) 5.35,3.59 U3.14 ; v1(28.41,3.53) 28.35,3.59 U12.14
  Bottom w0.2: 65.1,3.81 65.1,4.06 v1(65.22,4.17) ; 81.1,3.81 81.1,4.06 v1(81.22,4.17)
  Bottom w0.3: L8.1 28.44,3.05 28.44,3.5 v1(28.41,3.53) ; v1(5.41,3.53) 5.44,3.5 5.44,3.05 L1.1
Net-(U3-VR_PA): length 0.7
  Top w0.2: v1(77.1,6.55) U24.1 ; v1(61.1,6.55) U21.1
Net-(U3-VREG): length 8
  Top w0.25: v1(50.4,3.1) 50.4,2.81 49.78,2.19 C156.2
  Top w0.3: 27.35,3.13 C63.2 27.48,3 v1(26.91,3) 26.95,3 27.35,3.4 U12.12 27.35,3.13 ; 3.95,3 v1(3.91,3) 4.48,3 C20.2 4.35,3.13 U3.12 4.35,3.4 3.95,3
  Bottom w0.3: L23.2 50.3,3 v1(50.4,3.1)
Net-(U3-XTA): length 3.4
  Top w0.09: R38.2 47.28,5.8 U27.4 ; v1(61.14,4.72) 61.12,4.7 U21.4 ; U24.4 77.12,4.7 v1(77.14,4.72) ; R18.2 24.43,6.45 U12.4 ; U3.4 1.43,6.45 R6.2
Net-(U4-ANT): length 6.8
  Top w0.127: C159.1 52.8,15.15 arc(53.12,15.02) 53.25,14.7 U28.10 ; U4.10 8.2,14.2 arc(8,14.7) 7.5,14.9 C23.1 ; C66.1 30.1,15.2 arc(30.59,14.99) 30.8,14.5 U13.10
Net-(U5-J2): length 7.9
  Top w0.127: C66.2 27.55,15.2 arc(27.13,15.02) 26.95,14.6 U14.9 ; C159.2 50.9,15.15 arc(49.84,14.71) 49.4,13.65 U29.9 ; C23.2 4.56,14.9 arc(4.25,14.78) 4.13,14.47 U5.9
Net-(U5-RFC): length 2
  Top w0.127: C67.1 U14.11 ; U5.11 C24.1 ; 48.17,12.5 U29.11
Net-(U6-DCC_SW): length 0.8
  Bottom w0.3: v1(13.95,2.1) 14.2,1.85 L6.1 ; v1(36.95,2.1) 37.2,1.85 L13.1
Net-(U6-VREG): length 2.7
  Top w0.3: U15.12 35.95,1.27 C80.2 ; C38.2 12.95,1.27 U6.12
  Bottom w0.3: L13.2 35.85,1.85 v1(35.9,1.8) ; L6.2 12.85,1.85 v1(12.9,1.8)
Net-(U6-XTA): length 3.6
  Top w0.09: R9.2 10.03,3.92 10.03,4.28 10.55,4.8 U6.4 10.75,4.81 10.7,4.86 ; 33.7,4.86 33.75,4.81 U15.4 33.55,4.8 33.03,4.28 33.03,3.92 R21.2
Net-(U7-ANT): length 3.7
  Top w0.127: C84.1 37.6,13.8 arc(38.06,13.61) 38.25,13.15 U16.10 ; C42.1 14.6,13.8 arc(15.06,13.61) 15.25,13.15 U7.10
Net-(U8-J2): length 5.2
  Top w0.127: C84.2 35,13.8 arc(34.58,13.62) 34.4,13.2 U17.9 ; U8.9 11.4,13.2 arc(11.58,13.62) 12,13.8 C42.2
Net-(U8-RFC): length 1.8
  Top w0.127: C86.1 33,12.75 arc(33.22,12.22) 33.75,12 U17.11
  vias: v1(10.97,11.98)

## Copper pours and planes (outline as drawn; the poured copper is in the pictures)
+3V3 on Bottom: 45,5.75 45,3.85 45.85,3.55 46.2,3.55 46.2,5.75
+3V3 on Bottom: 6.8,9.55 8,9.55 8,8.83 7.85,8.5 7.85,8.15 7.05,8.15 6.8,9.2
+3V3 on Bottom: 24.65,8 24.65,6.25 24.4,5.8 24.05,5.8 24.05,8
+3V3 on Bottom: 29.8,9.55 31,9.55 31,8.83 30.85,8.5 30.85,8.15 30.05,8.15 29.8,9.2
+3V3 on Bottom: 11.2,4.8 11.6,4.8 12.3,4.9 12.5,4.9 12.5,3.8 12.3,3.8 11.65,4 11.2,4
+3V3 on Bottom: 1.65,8 1.65,6.25 1.4,5.8 1.05,5.8 1.05,8
+3V3 on Bottom: 34.2,4.8 34.6,4.8 35.3,4.9 35.5,4.9 35.5,3.8 35.3,3.8 34.65,4 34.2,4
+3V3 on Bottom: 49.15,6.6 48.3,5.95 48.05,6.4 48.15,6.85 47.95,7.1 47.45,7 47.45,5.95 47.85,5.6 47.85,5.05 49,4.7 50.05,5.75 50.05,6.6
+3V3 on In2.Cu: 60.5,10.05 60.51,10.13 60.55,10.26 60.63,10.37 60.74,10.45 60.87,10.49 60.95,10.5 70.05,10.5 70.13,10.49 70.26,10.45 70.37,10.37 70.45,10.26 70.49,10.13 70.5,10.05 70.5,0.45 70.49,0.37 70.45,0.24 70.37,0.13 70.26,0.05 70.13,0.01 70.05,0 60.95,0 60.87,0.01 60.74,0.05 60.63,0.13 60.55,0.24 60.51,0.37 60.5,0.45
+3V3 on In2.Cu: 76.5,10.05 76.51,10.13 76.55,10.26 76.63,10.37 76.74,10.45 76.87,10.49 76.95,10.5 86.05,10.5 86.13,10.49 86.26,10.45 86.37,10.37 86.45,10.26 86.49,10.13 86.5,10.05 86.5,0.45 86.49,0.37 86.45,0.24 86.37,0.13 86.26,0.05 86.13,0.01 86.05,0 76.95,0 76.87,0.01 76.74,0.05 76.63,0.13 76.55,0.24 76.51,0.37 76.5,0.45
+3V3 on In3.Cu: 0,17.1 0.01,17.21 0.06,17.34 0.15,17.45 0.26,17.54 0.39,17.59 0.5,17.6 16.5,17.6 16.61,17.59 16.74,17.54 16.85,17.45 16.94,17.34 16.99,17.21 17,17.1 17,0.5 16.99,0.39 16.94,0.26 16.85,0.15 16.74,0.06 16.61,0.01 16.5,0 0.5,0 0.39,0.01 0.26,0.06 0.15,0.15 0.06,0.26 0.01,0.39 0,0.5
+3V3 on In3.Cu: 45,15.8 45.01,15.91 45.06,16.04 45.15,16.15 45.26,16.24 45.39,16.29 45.5,16.3 54.5,16.3 54.61,16.29 54.74,16.24 54.85,16.15 54.94,16.04 54.99,15.91 55,15.8 55,0.5 54.99,0.39 54.94,0.26 54.85,0.15 54.74,0.06 54.61,0.01 54.5,0 45.5,0 45.39,0.01 45.26,0.06 45.15,0.15 45.06,0.26 45.01,0.39 45,0.5
+3V3 on In3.Cu: 23,17.1 23.01,17.21 23.06,17.34 23.15,17.45 23.26,17.54 23.39,17.59 23.5,17.6 39.5,17.6 39.61,17.59 39.74,17.54 39.85,17.45 39.94,17.34 39.99,17.21 40,17.1 40,0.5 39.99,0.39 39.94,0.26 39.85,0.15 39.74,0.06 39.61,0.01 39.5,0 23.5,0 23.39,0.01 23.26,0.06 23.15,0.15 23.06,0.26 23.01,0.39 23,0.5
+5V on Bottom: 0.55,5.5 1.25,5.5 1.4,5.3 1.4,5.05 1.15,4.15 1.05,4.1 0.6,4.1 0.5,4.55 0.5,5.35
+5V on Bottom: 45,3.25 45.6,3.25 45.85,3.15 46.85,3.15 46.85,2.55 46.05,2 45.8,1.75 45,1.75
+5V on Bottom: 23.55,5.5 24.25,5.5 24.4,5.3 24.4,5.05 24.15,4.15 24.05,4.1 23.6,4.1 23.5,4.55 23.5,5.35
GND on Top, Bottom, In1.Cu, In2.Cu, In4.Cu: 0,17.1 0.01,17.21 0.06,17.34 0.15,17.45 0.26,17.54 0.39,17.59 0.5,17.6 16.5,17.6 16.61,17.59 16.74,17.54 16.85,17.45 16.94,17.34 16.99,17.21 17,17.1 17,0.5 16.99,0.39 16.94,0.26 16.85,0.15 16.74,0.06 16.61,0.01 16.5,0 0.5,0 0.39,0.01 0.26,0.06 0.15,0.15 0.06,0.26 0.01,0.39 0,0.5
GND on Top, Bottom, In1.Cu, In2.Cu, In4.Cu: 23,17.1 23.01,17.21 23.06,17.34 23.15,17.45 23.26,17.54 23.39,17.59 23.5,17.6 39.5,17.6 39.61,17.59 39.74,17.54 39.85,17.45 39.94,17.34 39.99,17.21 40,17.1 40,0.5 39.99,0.39 39.94,0.26 39.85,0.15 39.74,0.06 39.61,0.01 39.5,0 23.5,0 23.39,0.01 23.26,0.06 23.15,0.15 23.06,0.26 23.01,0.39 23,0.5
GND on Top, Bottom, In1.Cu, In2.Cu, In4.Cu: 45,15.8 45.01,15.91 45.06,16.04 45.15,16.15 45.26,16.24 45.39,16.29 45.5,16.3 54.5,16.3 54.61,16.29 54.74,16.24 54.85,16.15 54.94,16.04 54.99,15.91 55,15.8 55,0.5 54.99,0.39 54.94,0.26 54.85,0.15 54.74,0.06 54.61,0.01 54.5,0 45.5,0 45.39,0.01 45.26,0.06 45.15,0.15 45.06,0.26 45.01,0.39 45,0.5
GND on Top, Bottom, In1.Cu, In3.Cu, In4.Cu: 60.5,10.05 60.51,10.13 60.55,10.26 60.63,10.37 60.74,10.45 60.87,10.49 60.95,10.5 70.05,10.5 70.13,10.49 70.26,10.45 70.37,10.37 70.45,10.26 70.49,10.13 70.5,10.05 70.5,0.45 70.49,0.37 70.45,0.24 70.37,0.13 70.26,0.05 70.13,0.01 70.05,0 60.95,0 60.87,0.01 60.74,0.05 60.63,0.13 60.55,0.24 60.51,0.37 60.5,0.45
GND on Top, Bottom, In1.Cu, In3.Cu, In4.Cu: 76.5,10.05 76.51,10.13 76.55,10.26 76.63,10.37 76.74,10.45 76.87,10.49 76.95,10.5 86.05,10.5 86.13,10.49 86.26,10.45 86.37,10.37 86.45,10.26 86.49,10.13 86.5,10.05 86.5,0.45 86.49,0.37 86.45,0.24 86.37,0.13 86.26,0.05 86.13,0.01 86.05,0 76.95,0 76.87,0.01 76.74,0.05 76.63,0.13 76.55,0.24 76.51,0.37 76.5,0.45
GND on In3.Cu: 3.55,6.1 5.3,7.85 5.6,7.5 4.41,6.3 4.41,4.45 4.75,4.05 6.15,4 7.05,3.55 6.5,2.95 5.1,2.95 3.55,4.5
GND on In3.Cu: 26.55,6.1 28.3,7.85 28.6,7.5 27.41,6.3 27.41,4.45 27.75,4.05 29.15,4 30.05,3.55 29.5,2.95 28.1,2.95 26.55,4.5
GND on In3.Cu: 7.25,5.8 7.2,7.05 7.7,7.6 8.2,7.5 10.2,5.4 10.35,4.75 10.9,4 11.2,3.7 8.2,3.7 7.15,2.7 6.45,2.75 6.5,2.95 7.2,3.55 7.05,4.1
GND on In3.Cu: 30.25,5.8 30.2,7.05 30.7,7.6 31.2,7.5 33.2,5.4 33.35,4.75 33.9,4 34.2,3.7 31.2,3.7 30.15,2.7 29.45,2.75 29.5,2.95 30.2,3.55 30.05,4.1

Small or netless copper shapes (teardrops, artwork), in the pictures only: 119 on Top, 15 on Bottom

## Text on the board
B.Mask: RX
B.Silkscreen: BOOT | open | OPEN
F.Silkscreen: rx | TX | 5v | GND | RX | BOOT | 5V
